# EAGLE board Mk4 Final Panel 6up 3x2 (EAGLE 9.0.1), part 10 of 18 (continued)
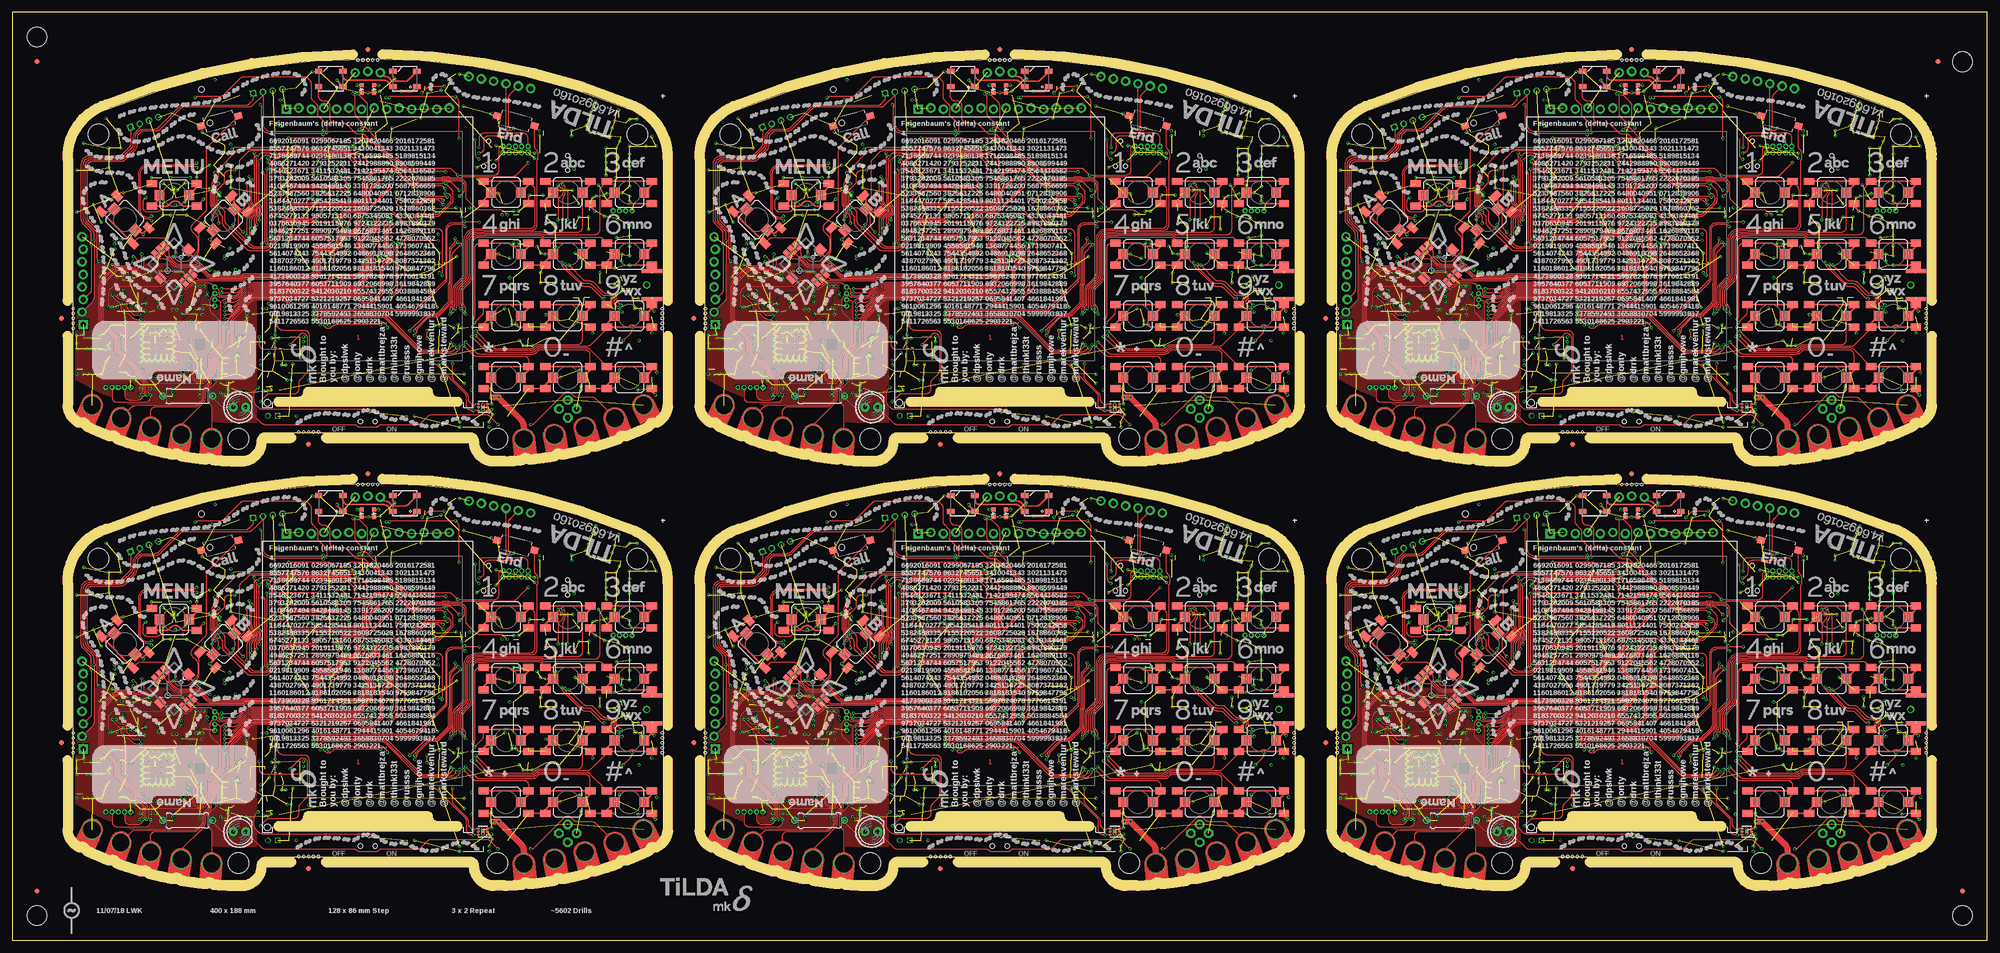
[diagram p0: board, top side]
## Tracks (layer width: path | path; a pad name or v marks a point on that pad's centre or on a via) (continued)
  Bottom 0.15: IC78.6 arc-90 311.45,39 313.36,39 arc-45 314.07,38.71 314.31,38.47 arc45 315.19,38.1 317.82,38.1 arc-45 317.96,38.04 318.04,37.96 arc45 318.18,37.9 318.6,37.9 arc90 v319.3,38.6 319.4,38.7 319.4,42.34 arc45 319.11,43.04 314.69,47.46 arc-45 314.4,48.16 314.4,57.89 arc45 314.11,58.59 v314,58.7 arc45 314.1,58.94 314.1,59.7 R337.1 | IC85.20 342.92,37.25 342.89,37.23 340.66,37.23 arc-45 v340,37.5 339.39,38.11 arc45 338.69,38.4 332.71,38.4 arc-45 332.35,38.55 332.35,38.55 arc45 331.99,38.7 v330.58,38.7 | IC86.6 342.16,33.5 arc-45 341.46,33.79 340.8,34.45 | 340.8,34.45 340.29,34.96 arc-45 340,35.66 v340,36 | v340.8,30.8 340.8,34.45 | IC74.60 322.29,69.6 arc-45 322.65,69.45 v322.7,69.4 | IC89.1 351.48,20.06 arc45 351.18,20.77 350.89,21.06 arc45 350.19,21.35 v349.35,21.35
I2C4_SDA6  (via drill 0.3)
  Top 0.15: v340,122 v340,123.5 | v330.58,124.7 321.54,124.7 arc45 320.83,124.41 320.56,124.13 arc-45 320,123.9 arc-90 v319.3,124.6 | IC124.6 v349.35,107.35 349,107.35 arc-90 348,108.35 348,110.09 arc45 347.71,110.79 341.99,116.51 arc45 341.29,116.8 v340.8,116.8
  3V3@2 0.15: v314,144.7 314,150 314.25,150.25 314.25,152.75 315,153.5 317,153.5 319.25,155.75 322.35,155.75 v322.7,155.4
  Bottom 0.15: IC114.6 arc-90 311.45,125 313.36,125 arc-45 314.07,124.71 314.31,124.47 arc45 315.19,124.1 317.82,124.1 arc-45 317.96,124.04 318.04,123.96 arc45 318.18,123.9 318.6,123.9 arc90 v319.3,124.6 319.4,124.7 319.4,128.34 arc45 319.11,129.04 314.69,133.46 arc-45 314.4,134.16 314.4,143.89 arc45 314.11,144.59 v314,144.7 arc45 314.1,144.94 314.1,145.7 R493.1 | IC121.20 342.92,123.25 342.89,123.22 340.66,123.22 arc-45 v340,123.5 339.39,124.11 arc45 338.69,124.4 332.71,124.4 arc-45 332.35,124.55 332.35,124.55 arc45 331.99,124.7 v330.58,124.7 | IC122.6 342.16,119.5 arc-45 341.46,119.79 340.8,120.45 | 340.8,120.45 340.29,120.96 arc-45 340,121.66 v340,122 | v340.8,116.8 340.8,120.45 | IC110.60 322.29,155.6 arc-45 322.65,155.45 v322.7,155.4 | IC125.1 351.48,106.06 arc45 351.18,106.77 350.89,107.06 arc45 350.19,107.35 v349.35,107.35
I2C5_EXT_SCL  (via drill 0.3)
  Top 0.2: J8.1 48.78,84.69 arc-45 48.49,83.99 47.89,83.39 arc-45 47.19,83.1 34.62,83.1 arc45 33.73,82.73 29.59,78.59 arc-45 28.89,78.3 26.52,78.3 arc45 25.63,77.93 25.27,77.57 arc45 24.9,76.68 24.9,75.27 arc-45 24.46,74.21 22.89,72.64 arc-45 21.83,72.2 16.05,72.2 arc90 14.8,70.95 14.8,60.21 arc45 15.09,59.51 16.81,57.79 arc-45 17.1,57.09 17.1,52.31 arc45 17.39,51.61 v17.5,51.5 | v50.25,83.25 arc-45 50.5,82.65 50.5,79.15 arc90 52.25,77.4 62.85,77.4 v63,77.25
  3V3@2 0.15: v63,77.25 63,74 63.5,73.5 68.02,73.5 68.6,72.92 68.6,70.32 70.28,68.65 70.28,68.38 70.58,68.08 70.85,68.08 76.1,62.82 v76.1,62.2
  Bottom 0.15: IC1.121 78.89,61.6 78.86,61.63 arc45 78.51,61.77 78.38,61.77 arc-45 77.67,62.07 77.21,62.53 arc45 76.86,62.67 76.78,62.67 arc45 76.43,62.53 v76.1,62.2
  Bottom 0.2: IC1.121 80.79,61.6 arc-45 81.15,61.45 81.25,61.35 arc45 81.61,61.2 82.27,61.2 arc-45 82.62,61.05 83.35,60.33 83.35,60.15 R24.1 84.2,59.3 84.2,58.95 arc45 84.33,58.63 arc-45 84.62,57.92 84.62,53.82 arc45 84.92,53.11 85.41,52.62 arc45 86.12,52.33 87.76,52.33 arc-45 88.47,52.03 94.38,46.12 arc-45 94.75,45.23 94.75,39.33 arc45 95.19,38.27 100,33.46 arc45 101.06,33.02 104.66,33.02 arc-45 105.54,32.66 109.11,29.09 arc-45 109.4,28.39 109.4,21.9 109.4,21.51 | JP6.6 17.45,51.45 v17.5,51.5 | PCB.SCL 109.8,17 109.4,17.4 109.4,21.51 | J8.1 49,85.36 49,84.91 arc45 49.29,84.21 v50.25,83.25 | J11.3 111.06,19.85 arc-45 110.35,20.15 109.69,20.81 arc-45 109.4,21.51
  Bottom 0.3: PCB.SCL 110.25,16.84 | J8.5 J8.1
I2C5_EXT_SCL1  (via drill 0.3)
  Top 0.2: J18.1 176.78,84.69 arc-45 176.49,83.99 175.89,83.39 arc-45 175.19,83.1 162.62,83.1 arc45 161.73,82.73 157.59,78.59 arc-45 156.89,78.3 154.52,78.3 arc45 153.63,77.93 153.27,77.57 arc45 152.9,76.68 152.9,75.27 arc-45 152.46,74.21 150.89,72.64 arc-45 149.83,72.2 144.05,72.2 arc90 142.8,70.95 142.8,60.21 arc45 143.09,59.51 144.81,57.79 arc-45 145.1,57.09 145.1,52.31 arc45 145.39,51.61 v145.5,51.5 | v178.25,83.25 arc-45 178.5,82.65 178.5,79.15 arc90 180.25,77.4 190.85,77.4 v191,77.25
  3V3@2 0.15: v191,77.25 191,74 191.5,73.5 196.02,73.5 196.6,72.92 196.6,70.32 198.28,68.65 198.28,68.38 198.58,68.08 198.85,68.08 204.1,62.82 v204.1,62.2
  Bottom 0.15: IC20.121 206.89,61.6 206.86,61.63 arc45 206.51,61.77 206.38,61.77 arc-45 205.68,62.07 205.21,62.53 arc45 204.86,62.67 204.78,62.67 arc45 204.43,62.53 v204.1,62.2
  Bottom 0.2: IC20.121 208.79,61.6 arc-45 209.15,61.45 209.25,61.35 arc45 209.61,61.2 210.27,61.2 arc-45 210.62,61.05 211.35,60.33 211.35,60.15 R106.1 212.2,59.3 212.2,58.95 arc45 212.33,58.63 arc-45 212.62,57.92 212.62,53.82 arc45 212.92,53.11 213.41,52.62 arc45 214.12,52.33 215.76,52.33 arc-45 216.47,52.03 222.38,46.12 arc-45 222.75,45.23 222.75,39.33 arc45 223.19,38.27 228,33.46 arc45 229.06,33.02 232.66,33.02 arc-45 233.54,32.66 237.11,29.09 arc-45 237.4,28.39 237.4,21.51 | JP17.6 145.45,51.45 v145.5,51.5 | PCB1.SCL 237.8,17 237.4,17.4 237.4,21.51 | J18.1 177,85.36 177,84.91 arc45 177.29,84.21 v178.25,83.25 | J20.3 239.06,19.85 arc-45 238.35,20.15 237.69,20.81 arc-45 237.4,21.51
  Bottom 0.3: PCB1.SCL 238.25,16.84 | J18.5 J18.1
I2C5_EXT_SCL2  (via drill 0.3)
  Top 0.2: J28.1 48.78,170.69 arc-45 48.49,169.99 47.89,169.39 arc-45 47.19,169.1 34.62,169.1 arc45 33.73,168.73 29.59,164.59 arc-45 28.89,164.3 26.52,164.3 arc45 25.63,163.93 25.27,163.57 arc45 24.9,162.68 24.9,161.27 arc-45 24.46,160.21 22.89,158.64 arc-45 21.83,158.2 16.05,158.2 arc90 14.8,156.95 14.8,146.21 arc45 15.09,145.51 16.81,143.79 arc-45 17.1,143.09 17.1,138.31 arc45 17.39,137.61 v17.5,137.5 | v50.25,169.25 arc-45 50.5,168.65 50.5,165.15 arc90 52.25,163.4 62.85,163.4 v63,163.25
  3V3@2 0.15: v63,163.25 63,160 63.5,159.5 68.02,159.5 68.6,158.92 68.6,156.32 70.28,154.65 70.28,154.38 70.58,154.07 70.85,154.07 76.1,148.82 v76.1,148.2
  Bottom 0.15: IC38.121 78.89,147.6 78.86,147.63 arc45 78.51,147.78 78.38,147.78 arc-45 77.67,148.07 77.21,148.53 arc45 76.86,148.68 76.78,148.68 arc45 76.43,148.53 v76.1,148.2
  Bottom 0.2: IC38.121 80.79,147.6 arc-45 81.15,147.45 81.25,147.35 arc45 81.61,147.2 82.27,147.2 arc-45 82.62,147.05 83.35,146.33 83.35,146.15 R184.1 84.2,145.3 84.2,144.95 arc45 84.33,144.63 arc-45 84.62,143.92 84.62,139.82 arc45 84.92,139.11 85.41,138.62 arc45 86.12,138.32 87.76,138.32 arc-45 88.47,138.03 94.38,132.12 arc-45 94.75,131.23 94.75,125.33 arc45 95.19,124.27 100,119.46 arc45 101.06,119.03 104.66,119.03 arc-45 105.54,118.66 109.11,115.09 arc-45 109.4,114.39 109.4,107.51 | JP26.6 17.45,137.45 v17.5,137.5 | PCB2.SCL 109.8,103 109.4,103.4 109.4,107.51 | J28.1 49,171.36 49,170.91 arc45 49.29,170.21 v50.25,169.25 | J30.3 111.06,105.85 arc-45 110.35,106.15 109.69,106.81 arc-45 109.4,107.51
  Bottom 0.3: PCB2.SCL 110.25,102.84 | J28.5 J28.1
I2C5_EXT_SCL3  (via drill 0.3)
  Top 0.2: J38.1 176.78,170.69 arc-45 176.49,169.99 175.89,169.39 arc-45 175.19,169.1 162.62,169.1 arc45 161.73,168.73 157.59,164.59 arc-45 156.89,164.3 154.52,164.3 arc45 153.63,163.93 153.27,163.57 arc45 152.9,162.68 152.9,161.27 arc-45 152.46,160.21 150.89,158.64 arc-45 149.83,158.2 144.05,158.2 arc90 142.8,156.95 142.8,146.21 arc45 143.09,145.51 144.81,143.79 arc-45 145.1,143.09 145.1,138.31 arc45 145.39,137.61 v145.5,137.5 | v178.25,169.25 arc-45 178.5,168.65 178.5,165.15 arc90 180.25,163.4 190.85,163.4 v191,163.25
  3V3@2 0.15: v191,163.25 191,160 191.5,159.5 196.02,159.5 196.6,158.92 196.6,156.32 198.28,154.65 198.28,154.38 198.58,154.07 198.85,154.07 204.1,148.82 v204.1,148.2
  Bottom 0.15: IC56.121 206.89,147.6 206.86,147.63 arc45 206.51,147.78 206.38,147.78 arc-45 205.68,148.07 205.21,148.53 arc45 204.86,148.68 204.78,148.68 arc45 204.43,148.53 v204.1,148.2
  Bottom 0.2: IC56.121 208.79,147.6 arc-45 209.15,147.45 209.25,147.35 arc45 209.61,147.2 210.27,147.2 arc-45 210.62,147.05 211.35,146.33 211.35,146.15 R262.1 212.2,145.3 212.2,144.95 arc45 212.33,144.63 arc-45 212.62,143.92 212.62,139.82 arc45 212.92,139.11 213.41,138.62 arc45 214.12,138.32 215.76,138.32 arc-45 216.47,138.03 222.38,132.12 arc-45 222.75,131.23 222.75,125.33 arc45 223.19,124.27 228,119.46 arc45 229.06,119.03 232.66,119.03 arc-45 233.54,118.66 237.11,115.09 arc-45 237.4,114.39 237.4,107.51 | JP35.6 145.45,137.45 v145.5,137.5 | PCB3.SCL 237.8,103 237.4,103.4 237.4,107.51 | J38.1 177,171.36 177,170.91 arc45 177.29,170.21 v178.25,169.25 | J40.3 239.06,105.85 arc-45 238.35,106.15 237.69,106.81 arc-45 237.4,107.51
  Bottom 0.3: PCB3.SCL 238.25,102.84 | J38.5 J38.1
I2C5_EXT_SCL4  (via drill 0.3)
  Top 0.2: J48.1 304.78,84.69 arc-45 304.49,83.99 303.89,83.39 arc-45 303.19,83.1 290.62,83.1 arc45 289.73,82.73 285.59,78.59 arc-45 284.89,78.3 282.52,78.3 arc45 281.63,77.93 281.27,77.57 arc45 280.9,76.68 280.9,75.27 arc-45 280.46,74.21 278.89,72.64 arc-45 277.83,72.2 272.05,72.2 arc90 270.8,70.95 270.8,60.21 arc45 271.09,59.51 272.81,57.79 arc-45 273.1,57.09 273.1,52.31 arc45 273.39,51.61 v273.5,51.5 | v306.25,83.25 arc-45 306.5,82.65 306.5,79.15 arc90 308.25,77.4 318.85,77.4 v319,77.25
  3V3@2 0.15: v319,77.25 319,74 319.5,73.5 324.02,73.5 324.6,72.92 324.6,70.32 326.27,68.65 326.27,68.38 326.58,68.08 326.85,68.08 332.1,62.82 v332.1,62.2
  Bottom 0.15: IC74.121 334.89,61.6 334.86,61.63 arc45 334.51,61.77 334.38,61.77 arc-45 333.68,62.07 333.21,62.53 arc45 332.86,62.67 332.78,62.67 arc45 332.43,62.53 v332.1,62.2
  Bottom 0.2: IC74.121 336.79,61.6 arc-45 337.15,61.45 337.25,61.35 arc45 337.61,61.2 338.27,61.2 arc-45 338.62,61.05 339.35,60.33 339.35,60.15 R340.1 340.2,59.3 340.2,58.95 arc45 340.33,58.63 arc-45 340.62,57.92 340.62,53.82 arc45 340.92,53.11 341.41,52.62 arc45 342.12,52.33 343.76,52.33 arc-45 344.47,52.03 350.38,46.12 arc-45 350.75,45.23 350.75,39.33 arc45 351.19,38.27 356,33.46 arc45 357.06,33.02 360.66,33.02 arc-45 361.54,32.66 365.11,29.09 arc-45 365.4,28.39 365.4,21.51 | JP44.6 273.45,51.45 v273.5,51.5 | PCB4.SCL 365.8,17 365.4,17.4 365.4,21.51 | J48.1 305,85.36 305,84.91 arc45 305.29,84.21 v306.25,83.25 | J50.3 367.06,19.85 arc-45 366.35,20.15 365.69,20.81 arc-45 365.4,21.51
  Bottom 0.3: PCB4.SCL 366.25,16.84 | J48.5 J48.1
I2C5_EXT_SCL6  (via drill 0.3)
  Top 0.2: J68.1 304.78,170.69 arc-45 304.49,169.99 303.89,169.39 arc-45 303.19,169.1 290.62,169.1 arc45 289.73,168.73 285.59,164.59 arc-45 284.89,164.3 282.52,164.3 arc45 281.63,163.93 281.27,163.57 arc45 280.9,162.68 280.9,161.27 arc-45 280.46,160.21 278.89,158.64 arc-45 277.83,158.2 272.05,158.2 arc90 270.8,156.95 270.8,146.21 arc45 271.09,145.51 272.81,143.79 arc-45 273.1,143.09 273.1,138.31 arc45 273.39,137.61 v273.5,137.5 | v306.25,169.25 arc-45 306.5,168.65 306.5,165.15 arc90 308.25,163.4 318.85,163.4 v319,163.25
  3V3@2 0.15: v319,163.25 319,160 319.5,159.5 324.02,159.5 324.6,158.92 324.6,156.32 326.27,154.65 326.27,154.38 326.58,154.07 326.85,154.07 332.1,148.82 v332.1,148.2
  Bottom 0.15: IC110.121 334.89,147.6 334.86,147.63 arc45 334.51,147.78 334.38,147.78 arc-45 333.68,148.07 333.21,148.53 arc45 332.86,148.68 332.78,148.68 arc45 332.43,148.53 v332.1,148.2
  Bottom 0.2: IC110.121 336.79,147.6 arc-45 337.15,147.45 337.25,147.35 arc45 337.61,147.2 338.27,147.2 arc-45 338.62,147.05 339.35,146.33 339.35,146.15 R496.1 340.2,145.3 340.2,144.95 arc45 340.33,144.63 arc-45 340.62,143.92 340.62,139.82 arc45 340.92,139.11 341.41,138.62 arc45 342.12,138.32 343.76,138.32 arc-45 344.47,138.03 350.38,132.12 arc-45 350.75,131.23 350.75,125.33 arc45 351.19,124.27 356,119.46 arc45 357.06,119.03 360.66,119.03 arc-45 361.54,118.66 365.11,115.09 arc-45 365.4,114.39 365.4,107.51 | JP62.6 273.45,137.45 v273.5,137.5 | PCB6.SCL 365.8,103 365.4,103.4 365.4,107.51 | J68.1 305,171.36 305,170.91 arc45 305.29,170.21 v306.25,169.25 | J70.3 367.06,105.85 arc-45 366.35,106.15 365.69,106.81 arc-45 365.4,107.51
  Bottom 0.3: PCB6.SCL 366.25,102.84 | J68.5 J68.1
I2C5_EXT_SDA  (via drill 0.3)
  Top 0.2: v17.75,54 17.73,54.02 arc-45 17.5,54.57 17.5,57.24 arc45 17.21,57.94 15.49,59.66 arc-45 15.2,60.36 15.2,70.8 arc-90 16.2,71.8 21.88,71.8 arc45 23.11,72.31 24.79,73.99 arc45 25.3,75.22 25.3,76.64 arc-45 25.59,77.34 25.86,77.61 arc-45 26.56,77.9 28.93,77.9 arc45 29.82,78.27 34.01,82.46 arc-45 34.71,82.75 47.84,82.75 arc45 48.54,83.04 50.76,85.26 J8.2 50.76,85.24 50.9,85.1 50.9,79.3 arc90 52.4,77.8 62.8,77.8 v63,78
  3V3@2 0.15: v75.3,62.2 75.3,63.2 70.72,67.78 70.46,67.78 69.97,68.26 69.97,68.53 68.3,70.2 68.3,72.8 67.9,73.2 63.3,73.2 62.7,73.8 62.7,76.7 62.4,77 62.4,77.4 v63,78
  Bottom 0.15: IC1.120 78.92,62 arc-45 78.91,62 arc45 78.74,62.08 arc-45 78.03,62.37 77.72,62.68 arc45 77.01,62.98 76.49,62.98 arc45 75.78,62.68 v75.3,62.2
  Bottom 0.2: IC1.120 80.92,62 arc-45 81.28,61.85 81.43,61.7 arc45 81.78,61.56 82.99,61.56 arc-45 83.34,61.41 R23.1 84.2,60.55 arc45 84.56,60.4 84.9,60.4 arc-90 85.4,59.9 85.4,59.21 arc-45 85.11,58.51 84.97,58.38 84.97,53.96 arc45 85.27,53.26 85.56,52.97 arc45 86.26,52.67 87.91,52.67 arc-45 88.62,52.38 94.66,46.34 arc-45 95.1,45.28 95.1,39.37 arc45 95.47,38.49 100.19,33.77 arc45 101.07,33.4 105.49,33.4 arc-45 106.19,33.11 109.56,29.75 arc-45 109.85,29.04 109.85,22.92 arc45 110.14,22.21 J11.4 112.09,21.65 arc-45 112.79,21.36 115.71,18.44 arc-45 PCB.SDA | JP6.7 v17.74,53.99 v17.75,54
  Bottom 0.3: J8.6 J8.2
I2C5_EXT_SDA1  (via drill 0.3)
  Top 0.2: v145.75,54 145.72,54.02 arc-45 145.5,54.57 145.5,57.24 arc45 145.21,57.94 143.49,59.66 arc-45 143.2,60.36 143.2,70.8 arc-90 144.2,71.8 149.88,71.8 arc45 151.11,72.31 152.79,73.99 arc45 153.3,75.22 153.3,76.64 arc-45 153.59,77.34 153.86,77.61 arc-45 154.56,77.9 156.93,77.9 arc45 157.82,78.27 162.01,82.46 arc-45 162.71,82.75 175.84,82.75 arc45 176.54,83.04 178.76,85.26 J18.2 178.76,85.24 178.9,85.1 178.9,79.3 arc90 180.4,77.8 190.8,77.8 v191,78
  3V3@2 0.15: v203.3,62.2 203.3,63.2 198.72,67.78 198.46,67.78 197.97,68.26 197.97,68.53 196.3,70.2 196.3,72.8 195.9,73.2 191.3,73.2 190.7,73.8 190.7,76.7 190.4,77 190.4,77.4 v191,78
  Bottom 0.15: IC20.120 206.92,62 arc-45 206.91,62 arc45 206.74,62.08 arc-45 206.03,62.37 205.72,62.68 arc45 205.01,62.98 204.49,62.98 arc45 203.78,62.68 v203.3,62.2
  Bottom 0.2: IC20.120 208.93,62 arc-45 209.28,61.85 209.43,61.7 arc45 209.78,61.56 210.99,61.56 arc-45 211.34,61.41 R105.1 212.2,60.55 arc45 212.56,60.4 212.9,60.4 arc-90 213.4,59.9 213.4,59.21 arc-45 213.11,58.51 212.97,58.38 212.97,53.96 arc45 213.27,53.26 213.56,52.97 arc45 214.26,52.67 215.91,52.67 arc-45 216.62,52.38 222.66,46.34 arc-45 223.1,45.28 223.1,39.37 arc45 223.47,38.49 228.19,33.77 arc45 229.07,33.4 233.49,33.4 arc-45 234.19,33.11 237.56,29.75 arc-45 237.85,29.04 237.85,22.92 arc45 238.14,22.21 J20.4 240.09,21.65 arc-45 240.79,21.36 243.71,18.44 arc-45 PCB1.SDA | JP17.7 v145.74,53.99 v145.75,54
  Bottom 0.3: J18.6 J18.2
I2C5_EXT_SDA2  (via drill 0.3)
  Top 0.2: v17.75,140 17.73,140.03 arc-45 17.5,140.57 17.5,143.24 arc45 17.21,143.94 15.49,145.66 arc-45 15.2,146.36 15.2,156.8 arc-90 16.2,157.8 21.88,157.8 arc45 23.11,158.31 24.79,159.99 arc45 25.3,161.22 25.3,162.64 arc-45 25.59,163.34 25.86,163.61 arc-45 26.56,163.9 28.93,163.9 arc45 29.82,164.27 34.01,168.46 arc-45 34.71,168.75 47.84,168.75 arc45 48.54,169.04 50.76,171.26 J28.2 50.76,171.24 50.9,171.1 50.9,165.3 arc90 52.4,163.8 62.8,163.8 v63,164
  3V3@2 0.15: v75.3,148.2 75.3,149.2 70.72,153.78 70.46,153.78 69.97,154.26 69.97,154.53 68.3,156.2 68.3,158.8 67.9,159.2 63.3,159.2 62.7,159.8 62.7,162.7 62.4,163 62.4,163.4 v63,164
  Bottom 0.15: IC38.120 78.92,148 arc-45 78.91,148 arc45 78.74,148.07 arc-45 78.03,148.37 77.72,148.68 arc45 77.01,148.97 76.49,148.97 arc45 75.78,148.68 v75.3,148.2
  Bottom 0.2: IC38.120 80.92,148 arc-45 81.28,147.85 81.43,147.7 arc45 81.78,147.56 82.99,147.56 arc-45 83.34,147.41 R183.1 84.2,146.55 arc45 84.56,146.4 84.9,146.4 arc-90 85.4,145.9 85.4,145.21 arc-45 85.11,144.51 84.97,144.38 84.97,139.96 arc45 85.27,139.25 85.56,138.97 arc45 86.26,138.68 87.91,138.68 arc-45 88.62,138.38 94.66,132.34 arc-45 95.1,131.28 95.1,125.37 arc45 95.47,124.49 100.19,119.77 arc45 101.07,119.4 105.49,119.4 arc-45 106.19,119.11 109.56,115.75 arc-45 109.85,115.04 109.85,108.92 arc45 110.14,108.21 J30.4 112.09,107.65 arc-45 112.79,107.36 115.71,104.44 arc-45 PCB2.SDA | JP26.7 v17.74,139.99 v17.75,140
  Bottom 0.3: J28.6 J28.2
I2C5_EXT_SDA3  (via drill 0.3)
  Top 0.2: v145.75,140 145.72,140.03 arc-45 145.5,140.57 145.5,143.24 arc45 145.21,143.94 143.49,145.66 arc-45 143.2,146.36 143.2,156.8 arc-90 144.2,157.8 149.88,157.8 arc45 151.11,158.31 152.79,159.99 arc45 153.3,161.22 153.3,162.64 arc-45 153.59,163.34 153.86,163.61 arc-45 154.56,163.9 156.93,163.9 arc45 157.82,164.27 162.01,168.46 arc-45 162.71,168.75 175.84,168.75 arc45 176.54,169.04 178.76,171.26 J38.2 178.76,171.24 178.9,171.1 178.9,165.3 arc90 180.4,163.8 190.8,163.8 v191,164
  3V3@2 0.15: v203.3,148.2 203.3,149.2 198.72,153.78 198.46,153.78 197.97,154.26 197.97,154.53 196.3,156.2 196.3,158.8 195.9,159.2 191.3,159.2 190.7,159.8 190.7,162.7 190.4,163 190.4,163.4 v191,164
  Bottom 0.15: IC56.120 206.92,148 arc-45 206.91,148 arc45 206.74,148.07 arc-45 206.03,148.37 205.72,148.68 arc45 205.01,148.97 204.49,148.97 arc45 203.78,148.68 v203.3,148.2
  Bottom 0.2: IC56.120 208.93,148 arc-45 209.28,147.85 209.43,147.7 arc45 209.78,147.56 210.99,147.56 arc-45 211.34,147.41 R261.1 212.2,146.55 arc45 212.56,146.4 212.9,146.4 arc-90 213.4,145.9 213.4,145.21 arc-45 213.11,144.51 212.97,144.38 212.97,139.96 arc45 213.27,139.25 213.56,138.97 arc45 214.26,138.68 215.91,138.68 arc-45 216.62,138.38 222.66,132.34 arc-45 223.1,131.28 223.1,125.37 arc45 223.47,124.49 228.19,119.77 arc45 229.07,119.4 233.49,119.4 arc-45 234.19,119.11 237.56,115.75 arc-45 237.85,115.04 237.85,108.92 arc45 238.14,108.21 J40.4 240.09,107.65 arc-45 240.79,107.36 243.71,104.44 arc-45 PCB3.SDA | JP35.7 v145.74,139.99 v145.75,140
  Bottom 0.3: J38.6 J38.2
I2C5_EXT_SDA4  (via drill 0.3)
  Top 0.2: v273.75,54 273.73,54.02 arc-45 273.5,54.57 273.5,57.24 arc45 273.21,57.94 271.49,59.66 arc-45 271.2,60.36 271.2,70.8 arc-90 272.2,71.8 277.88,71.8 arc45 279.11,72.31 280.79,73.99 arc45 281.3,75.22 281.3,76.64 arc-45 281.59,77.34 281.86,77.61 arc-45 282.56,77.9 284.93,77.9 arc45 285.82,78.27 290.01,82.46 arc-45 290.71,82.75 303.84,82.75 arc45 304.54,83.04 306.76,85.26 J48.2 306.76,85.24 306.9,85.1 306.9,79.3 arc90 308.4,77.8 318.8,77.8 v319,78
  3V3@2 0.15: v331.3,62.2 331.3,63.2 326.73,67.78 326.46,67.78 325.98,68.26 325.98,68.53 324.3,70.2 324.3,72.8 323.9,73.2 319.3,73.2 318.7,73.8 318.7,76.7 318.4,77 318.4,77.4 v319,78
  Bottom 0.15: IC74.120 334.92,62 arc-45 334.91,62 arc45 334.74,62.08 arc-45 334.03,62.37 333.72,62.68 arc45 333.01,62.98 332.49,62.98 arc45 331.78,62.68 v331.3,62.2
  Bottom 0.2: IC74.120 336.93,62 arc-45 337.28,61.85 337.43,61.7 arc45 337.78,61.56 338.99,61.56 arc-45 339.34,61.41 R339.1 340.2,60.55 arc45 340.56,60.4 340.9,60.4 arc-90 341.4,59.9 341.4,59.21 arc-45 341.11,58.51 340.98,58.38 340.98,53.96 arc45 341.27,53.26 341.56,52.97 arc45 342.26,52.67 343.91,52.67 arc-45 344.62,52.38 350.66,46.34 arc-45 351.1,45.28 351.1,39.37 arc45 351.47,38.49 356.19,33.77 arc45 357.07,33.4 361.49,33.4 arc-45 362.19,33.11 365.56,29.75 arc-45 365.85,29.04 365.85,22.92 arc45 366.14,22.21 J50.4 368.09,21.65 arc-45 368.79,21.36 371.71,18.44 arc-45 PCB4.SDA | JP44.7 v273.74,53.99 v273.75,54
  Bottom 0.3: J48.6 J48.2
I2C5_EXT_SDA6  (via drill 0.3)
  Top 0.2: v273.75,140 273.73,140.03 arc-45 273.5,140.57 273.5,143.24 arc45 273.21,143.94 271.49,145.66 arc-45 271.2,146.36 271.2,156.8 arc-90 272.2,157.8 277.88,157.8 arc45 279.11,158.31 280.79,159.99 arc45 281.3,161.22 281.3,162.64 arc-45 281.59,163.34 281.86,163.61 arc-45 282.56,163.9 284.93,163.9 arc45 285.82,164.27 290.01,168.46 arc-45 290.71,168.75 303.84,168.75 arc45 304.54,169.04 306.76,171.26 J68.2 306.76,171.24 306.9,171.1 306.9,165.3 arc90 308.4,163.8 318.8,163.8 v319,164
  3V3@2 0.15: v331.3,148.2 331.3,149.2 326.73,153.78 326.46,153.78 325.98,154.26 325.98,154.53 324.3,156.2 324.3,158.8 323.9,159.2 319.3,159.2 318.7,159.8 318.7,162.7 318.4,163 318.4,163.4 v319,164
  Bottom 0.15: IC110.120 334.92,148 arc-45 334.91,148 arc45 334.74,148.07 arc-45 334.03,148.37 333.72,148.68 arc45 333.01,148.97 332.49,148.97 arc45 331.78,148.68 v331.3,148.2
  Bottom 0.2: IC110.120 336.93,148 arc-45 337.28,147.85 337.43,147.7 arc45 337.78,147.56 338.99,147.56 arc-45 339.34,147.41 R495.1 340.2,146.55 arc45 340.56,146.4 340.9,146.4 arc-90 341.4,145.9 341.4,145.21 arc-45 341.11,144.51 340.98,144.38 340.98,139.96 arc45 341.27,139.25 341.56,138.97 arc45 342.26,138.68 343.91,138.68 arc-45 344.62,138.38 350.66,132.34 arc-45 351.1,131.28 351.1,125.37 arc45 351.47,124.49 356.19,119.77 arc45 357.07,119.4 361.49,119.4 arc-45 362.19,119.11 365.56,115.75 arc-45 365.85,115.04 365.85,108.92 arc45 366.14,108.21 J70.4 368.09,107.65 arc-45 368.79,107.36 371.71,104.44 arc-45 PCB6.SDA | JP62.7 v273.74,139.99 v273.75,140
  Bottom 0.3: J68.6 J68.2
JOY_CEN  (via drill 0.3)
  Top 0.15: SW1.CTR 32.77,51.02 arc45 33.66,50.66 36.79,50.66 arc-45 37.15,50.51 37.16,50.5 arc45 37.52,50.35 37.78,50.35 arc-45 38.13,50.2 39.49,48.84 arc45 40.38,48.48 46.44,48.48 arc45 46.61,48.55 46.74,48.68 arc-45 46.92,48.75 60.28,48.75 arc90 61.45,49.92 61.45,53.59 arc-90 62.56,54.7 64.85,54.7 arc90 66.1,55.95 66.1,56.35 arc-90 67.35,57.6 68.92,57.6 arc45 69.27,57.75 69.75,58.23 arc45 69.9,58.58 69.9,59.09 arc-45 70.05,59.45 v71.2,60.6
  Bottom 0.15: v71.2,60.6 70.99,60.81 arc-45 70.7,61.51 70.7,66.09 arc45 70.41,66.79 68.89,68.31 arc-45 68.6,69.01 IC1.72
JOY_CEN1  (via drill 0.3)
  Top 0.15: SW2.CTR 160.78,51.02 arc45 161.66,50.66 164.79,50.66 arc-45 165.15,50.51 165.16,50.5 arc45 165.52,50.35 165.78,50.35 arc-45 166.13,50.2 167.49,48.84 arc45 168.38,48.48 174.44,48.48 arc45 174.62,48.55 174.74,48.68 arc-45 174.92,48.75 188.28,48.75 arc90 189.45,49.92 189.45,53.59 arc-90 190.56,54.7 192.85,54.7 arc90 194.1,55.95 194.1,56.35 arc-90 195.35,57.6 196.92,57.6 arc45 197.27,57.75 197.75,58.23 arc45 197.9,58.58 197.9,59.09 arc-45 198.05,59.45 v199.2,60.6
  Bottom 0.15: v199.2,60.6 198.99,60.81 arc-45 198.7,61.51 198.7,66.09 arc45 198.41,66.79 196.89,68.31 arc-45 196.6,69.01 IC20.72
JOY_CEN2  (via drill 0.3)
  Top 0.15: SW3.CTR 32.77,137.03 arc45 33.66,136.66 36.79,136.66 arc-45 37.15,136.51 37.16,136.5 arc45 37.52,136.35 37.78,136.35 arc-45 38.13,136.2 39.49,134.84 arc45 40.38,134.47 46.44,134.47 arc45 46.61,134.55 46.74,134.68 arc-45 46.92,134.75 60.28,134.75 arc90 61.45,135.92 61.45,139.59 arc-90 62.56,140.7 64.85,140.7 arc90 66.1,141.95 66.1,142.35 arc-90 67.35,143.6 68.92,143.6 arc45 69.27,143.75 69.75,144.23 arc45 69.9,144.58 69.9,145.09 arc-45 70.05,145.45 v71.2,146.6
  Bottom 0.15: v71.2,146.6 70.99,146.81 arc-45 70.7,147.51 70.7,152.09 arc45 70.41,152.79 68.89,154.31 arc-45 68.6,155.01 IC38.72
JOY_CEN3  (via drill 0.3)
  Top 0.15: SW4.CTR 160.78,137.03 arc45 161.66,136.66 164.79,136.66 arc-45 165.15,136.51 165.16,136.5 arc45 165.52,136.35 165.78,136.35 arc-45 166.13,136.2 167.49,134.84 arc45 168.38,134.47 174.44,134.47 arc45 174.62,134.55 174.74,134.68 arc-45 174.92,134.75 188.28,134.75 arc90 189.45,135.92 189.45,139.59 arc-90 190.56,140.7 192.85,140.7 arc90 194.1,141.95 194.1,142.35 arc-90 195.35,143.6 196.92,143.6 arc45 197.27,143.75 197.75,144.23 arc45 197.9,144.58 197.9,145.09 arc-45 198.05,145.45 v199.2,146.6
  Bottom 0.15: v199.2,146.6 198.99,146.81 arc-45 198.7,147.51 198.7,152.09 arc45 198.41,152.79 196.89,154.31 arc-45 196.6,155.01 IC56.72
JOY_CEN4  (via drill 0.3)
  Top 0.15: SW5.CTR 288.77,51.02 arc45 289.66,50.66 292.79,50.66 arc-45 293.15,50.51 293.16,50.5 arc45 293.52,50.35 293.78,50.35 arc-45 294.13,50.2 295.49,48.84 arc45 296.38,48.48 302.44,48.48 arc45 302.62,48.55 302.74,48.68 arc-45 302.92,48.75 316.28,48.75 arc90 317.45,49.92 317.45,53.59 arc-90 318.56,54.7 320.85,54.7 arc90 322.1,55.95 322.1,56.35 arc-90 323.35,57.6 324.92,57.6 arc45 325.27,57.75 325.75,58.23 arc45 325.9,58.58 325.9,59.09 arc-45 326.05,59.45 v327.2,60.6
  Bottom 0.15: v327.2,60.6 326.99,60.81 arc-45 326.7,61.51 326.7,66.09 arc45 326.41,66.79 324.89,68.31 arc-45 324.6,69.01 IC74.72
JOY_CEN6  (via drill 0.3)
  Top 0.15: SW7.CTR 288.77,137.03 arc45 289.66,136.66 292.79,136.66 arc-45 293.15,136.51 293.16,136.5 arc45 293.52,136.35 293.78,136.35 arc-45 294.13,136.2 295.49,134.84 arc45 296.38,134.47 302.44,134.47 arc45 302.62,134.55 302.74,134.68 arc-45 302.92,134.75 316.28,134.75 arc90 317.45,135.92 317.45,139.59 arc-90 318.56,140.7 320.85,140.7 arc90 322.1,141.95 322.1,142.35 arc-90 323.35,143.6 324.92,143.6 arc45 325.27,143.75 325.75,144.23 arc45 325.9,144.58 325.9,145.09 arc-45 326.05,145.45 v327.2,146.6
  Bottom 0.15: v327.2,146.6 326.99,146.81 arc-45 326.7,147.51 326.7,152.09 arc45 326.41,152.79 324.89,154.31 arc-45 324.6,155.01 IC110.72
JOY_DOWN  (via drill 0.3)
  Top 0.15: v72,59.8 72,59.41 arc-45 71.71,58.71 69.85,56.85 arc-45 69.49,56.7 67.5,56.7 arc90 67,56.2 67,55.8 arc-90 65,53.8 62.95,53.8 arc90 62.35,53.2 62.35,49.52 arc-90 60.67,47.85 47.29,47.85 arc45 47.12,47.78 46.99,47.65 arc-45 46.81,47.58 37.08,47.58 arc45 36.73,47.43 36.15,46.85 arc-45 35.79,46.7 35.3,46.7 SW1.D